# Altium PCB RTM_SFP.PcbDoc (part 7 of 17)
Units mil, origin at the board's own origin, x right, y up, seen from the top; angles counter-clockwise.
Board outline 7185 x 5846.5 mil, 4 copper layers (Top Layer, MidPlane_1, MidPlane_2, Bottom Layer), stack 63.553 mil thick; 389 components, 333 nets, 1578 pads, 1486 vias.
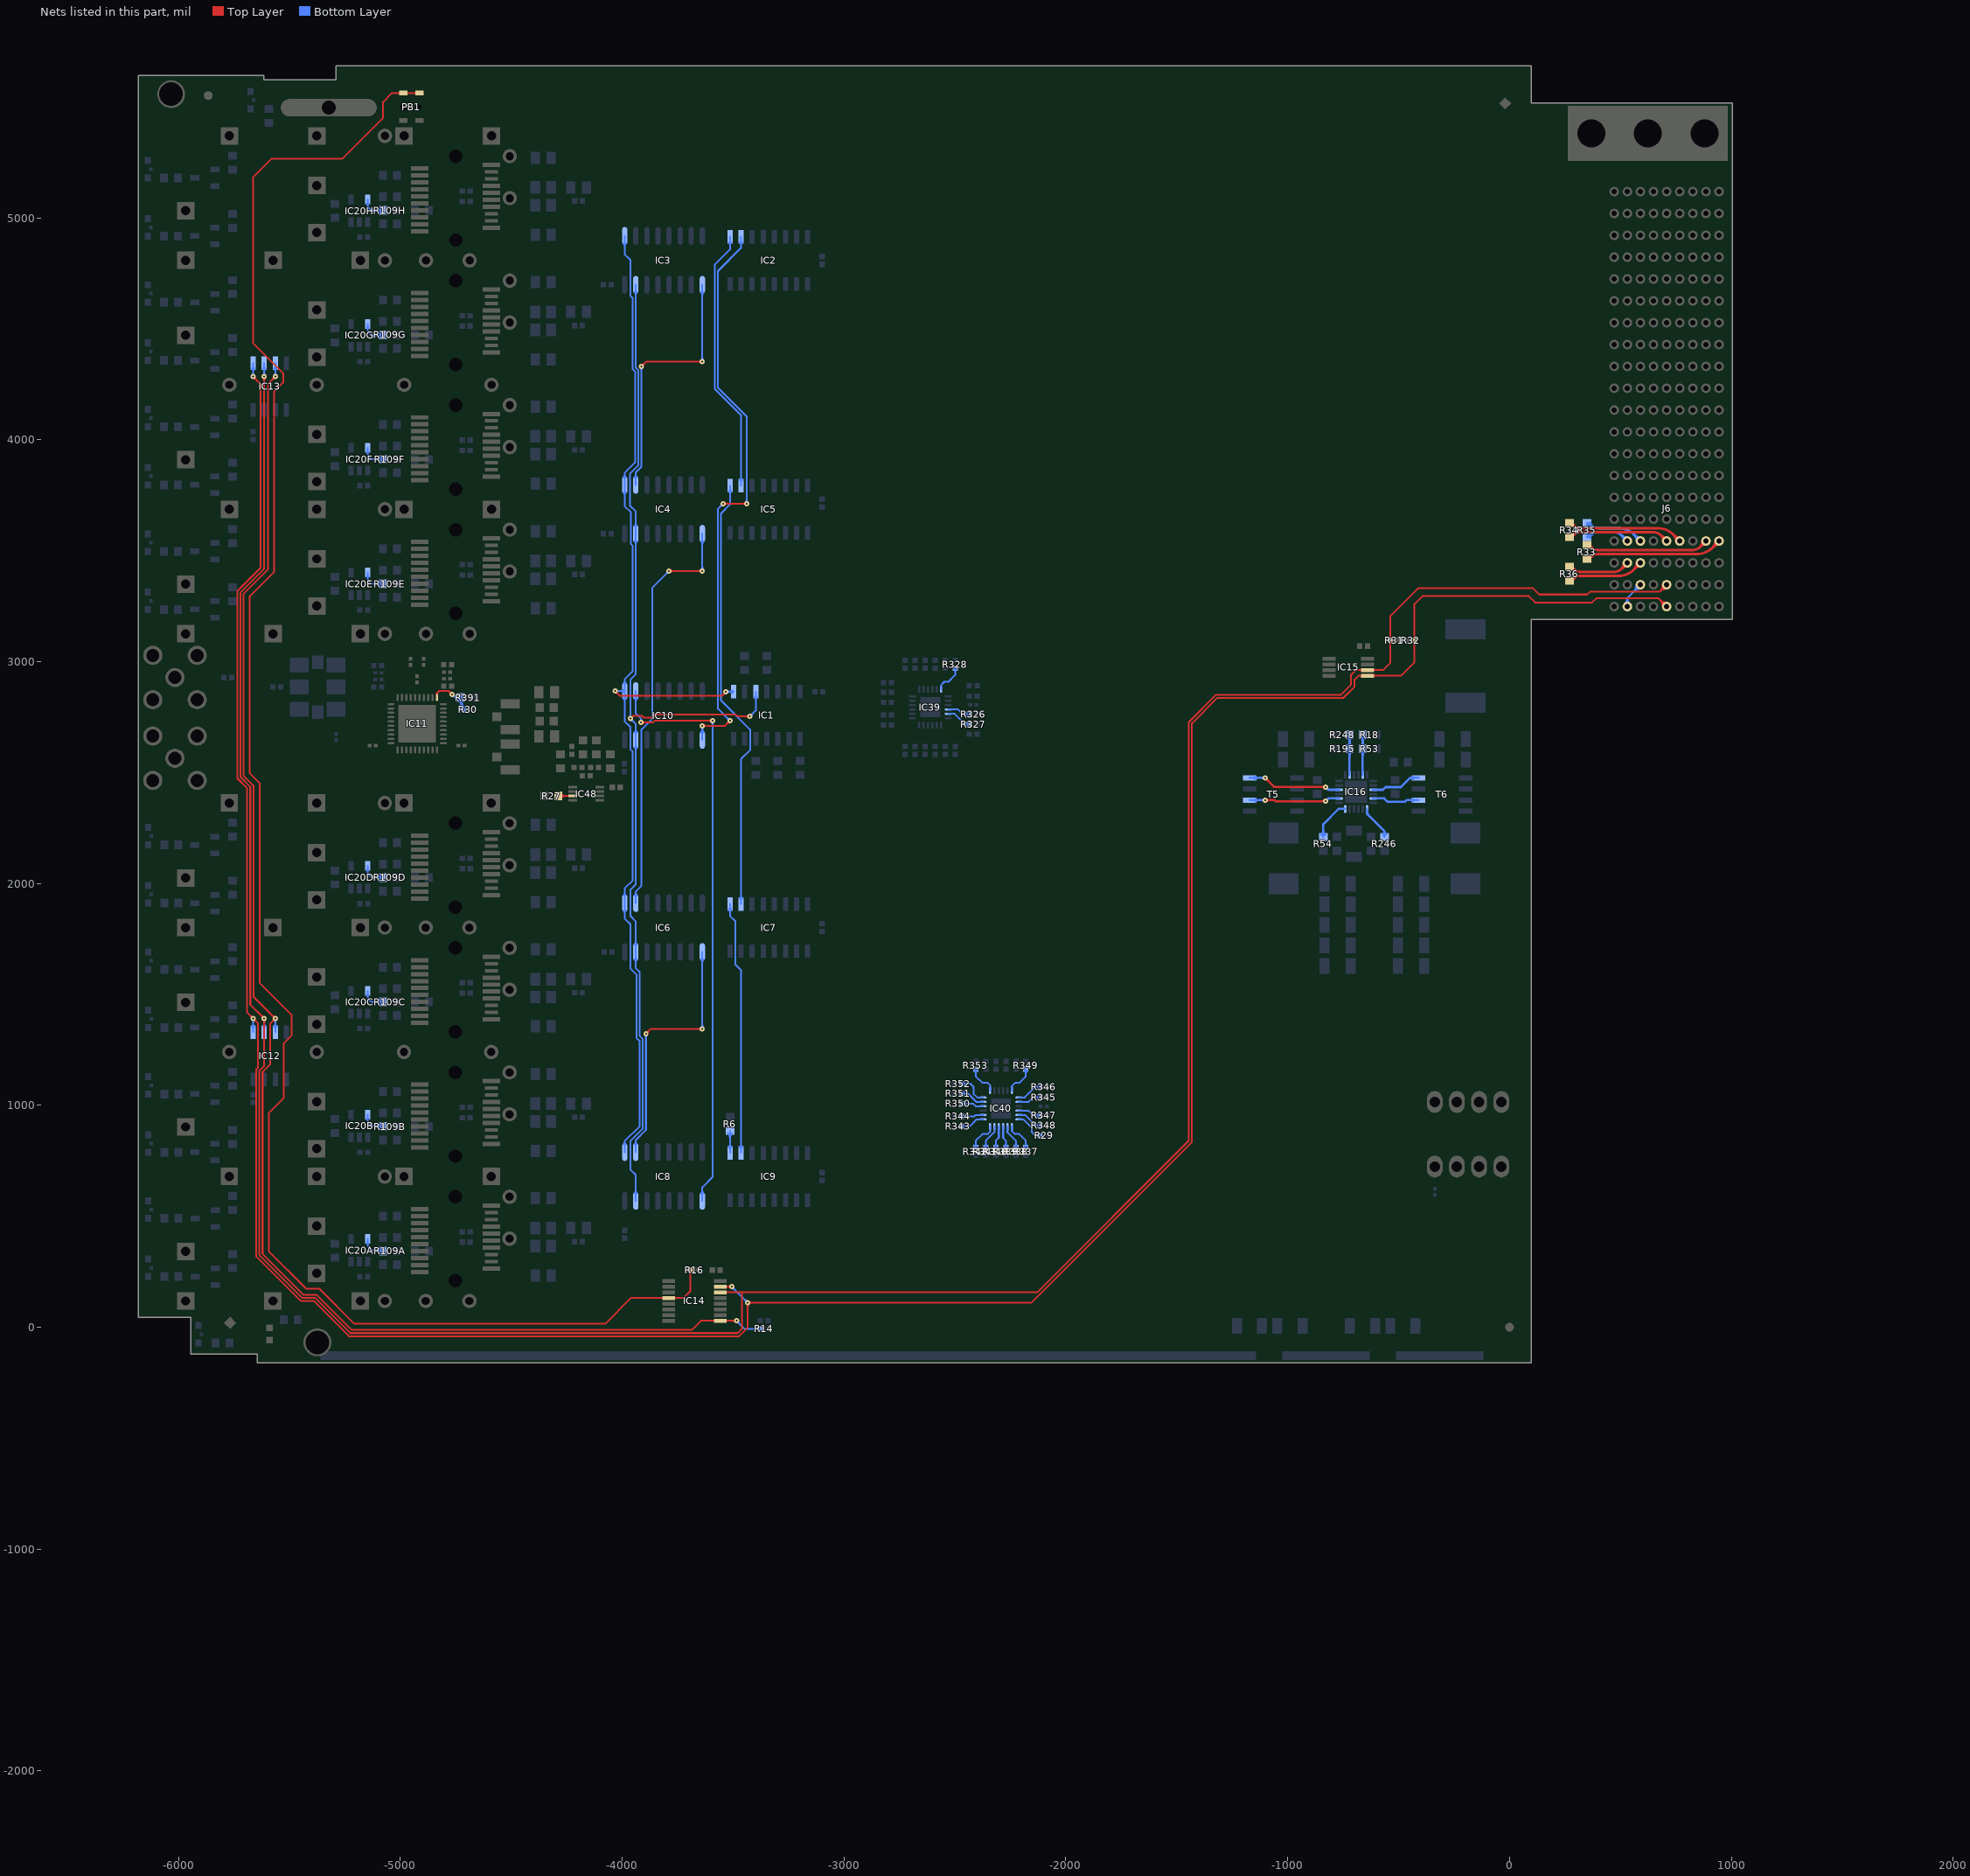
[diagram p9: the nets of this part, all layers, seen from the top]

## Via types
v1: diameter 23.62, hole 7.87, Top Layer to Bottom Layer, tented both sides, 1401 vias
v2: diameter 27.56, hole 11.81, Top Layer to Bottom Layer, tented both sides, 59 vias
v3: diameter 25.98, hole 12.99, Top Layer to Bottom Layer, tented top, 24 vias
v4: diameter 23.62, hole 11.81, Top Layer to Bottom Layer, tented both sides, 2 vias

## Nets (pads, with @x,y where several pads share a name; then routed paths per layer and width w, separated by ;. In a path a pad name is that pad's centre, name@x,y a point inside that pad or via, vN(x,y) a via of type N, cw(c..) or ccw(c..) an arc to the next point about the centre after c; other vN are vias at no path point) (continued)
NetIC1_8: IC1.8 IC3.1 IC4.1 IC6.1 IC8.1 IC10.1 | length 5476.4
  Top Layer w7.99: v1@-4032.46,2867.29 ccw(c-4019.22,2870) -4022.71,2856.94 ; v1(-4032.28,2867.32) -4011.48,2846.52 -3549.94,2846.52 v1(-3532.28,2864.17) ; v1@-4032.25,2867.5 cw(c-4034.96,2854.26) -4021.9,2857.75 ; -3542.66,2854.6 cw(c-3529.61,2851.11) v1@-3532.32,2864.35 ; -3541.85,2853.79 ccw(c-3545.35,2866.85) v1@-3532.11,2864.14 ; -4018.94,2853.98 cw(c-4005.6,2867.32) -4024.47,2867.32 ccw(c-4005.6,2867.32) -4018.94,2853.98 ; -4018.94,2853.98 ccw(c-4032.28,2840.64) -4032.28,2859.51 cw(c-4032.28,2840.64) -4018.94,2853.98 ; -3545.62,2850.83 cw(c-3532.28,2837.49) -3532.28,2856.36 ccw(c-3532.28,2837.49) -3545.62,2850.83 ; -3545.62,2850.83 ccw(c-3558.97,2864.17) -3540.1,2864.17 cw(c-3558.97,2864.17) -3545.62,2850.83
  Bottom Layer w7.99: v1(-4032.28,2867.32) IC10.1@-3988.98,2867.32 ; -4008.58,2867.32 cw(c-4008.58,2847.33) IC10.1@-3994.44,2861.47 ; -4007.63,2867.32 ccw(c-4007.63,2885.97) IC10.1@-3994.44,2872.79 ; IC8.1@-3994.44,823.04 ccw(c-4008.1,836.7) -3988.78,836.7 ccw(c-3969.46,836.7) IC8.1@-3983.12,823.04 ; IC6.1@-3994.44,1877.77 cw(c-4008.1,1864.1) -3988.78,1864.1 cw(c-3969.46,1864.1) IC6.1@-3983.12,1877.77 ; IC6.1@-3994.44,1945.09 ccw(c-4008.1,1958.75) -3988.78,1958.75 ccw(c-3969.46,1958.75) IC6.1@-3983.12,1945.09 ; IC10.1@-3994.44,2833.47 cw(c-4008.1,2819.8) -3988.78,2819.8 cw(c-3969.46,2819.8) IC10.1@-3983.12,2833.47 ; IC10.1@-3994.44,2900.79 ccw(c-4008.1,2914.45) -3988.78,2914.45 ccw(c-3969.46,2914.45) IC10.1@-3983.12,2900.79 ; IC4.1@-3994.44,3762.81 cw(c-4008.1,3749.15) -3988.78,3749.15 cw(c-3969.46,3749.15) IC4.1@-3983.12,3762.81 ; IC4.1@-3994.44,3830.13 ccw(c-4008.1,3843.8) -3988.78,3843.8 ccw(c-3969.46,3843.8) IC4.1@-3983.12,3830.13 ; IC3.1@-3994.44,4884.86 cw(c-4008.1,4871.2) -3988.78,4871.2 cw(c-3969.46,4871.2) IC3.1@-3983.12,4884.86 ; IC8.1@-3988.78,789.38 -3988.78,837.99 -3920.91,905.86 -3920.91,1289.02 -3936.02,1304.13 -3936.02,1589.57 -3963.78,1617.32 -3963.78,1817.32 -3988.78,1842.32 IC6.1@-3988.78,1911.43 -3988.78,1978.15 -3952.77,2014.16 -3952.77,2594.5 -3963.58,2605.31 -3963.58,2706.1 -3988.78,2731.3 IC10.1@-3988.78,2867.13 -3988.78,2919.69 -3953.74,2954.72 -3953.74,3522.64 -3960.78,3529.67 -3960.78,3672.19 -3988.78,3700.2 IC4.1@-3988.78,3796.47 -3988.78,3850.59 -3941.76,3897.61 -3941.76,4307.39 -3952.77,4318.4 -3952.77,4637.81 -3963.58,4648.62 -3963.58,4811.02 -3988.78,4836.22 IC3.1@-3988.78,4918.52 ; v1(-3532.28,2864.17) IC1.8@-3498.03,2864.17 ; IC1.8@-3503.56,2858.65 ccw(c-3516.9,2845.31) -3516.9,2864.17 ccw(c-3516.9,2883.04) IC1.8@-3503.56,2869.7 ; -4013.42,2867.32 cw(c-4013.42,2886.19) -4026.76,2872.85 ccw(c-4013.42,2886.19) -4013.42,2867.32 ; -4013.42,2867.32 ccw(c-4013.42,2848.46) -4026.76,2861.8 cw(c-4013.42,2848.46) -4013.42,2867.32 ; -3513.42,2864.17 cw(c-3513.42,2883.04) -3526.76,2869.7 ccw(c-3513.42,2883.04) -3513.42,2864.17 ; -3513.42,2864.17 ccw(c-3513.42,2845.31) -3526.76,2858.65 cw(c-3513.42,2845.31) -3513.42,2864.17
NetIC1_10: IC1.10 IC3.15 IC4.15 IC6.15 IC8.15 IC10.15 | length 5520.2
  Top Layer w7.99: v1@-3963.56,2742.97 cw(c-3949.38,2738.58) -3952.63,2753.06 ; v1(-3963.39,2742.91) -3950.79,2755.51 ; v1@-3963.33,2742.74 ccw(c-3967.72,2756.92) -3953.24,2753.67 ; v1(-3425.2,2752.76) -3479.13,2752.76 -3487.19,2760.81 -3852.87,2760.81 -3866.8,2746.88 -3902.39,2746.88 -3911.02,2755.51 -3950.79,2755.51 ; -3950.79,2755.51 cw(c-3962.38,2767.11) -3963.06,2750.72 ccw(c-3962.38,2767.11) -3950.79,2755.51 ; -3950.79,2755.51 ccw(c-3939.19,2743.91) -3955.58,2743.24 cw(c-3939.19,2743.91) -3950.79,2755.51 ; -3444.06,2752.76 cw(c-3444.06,2733.89) -3430.72,2747.23 ccw(c-3444.06,2733.89) -3444.06,2752.76 ; -3444.06,2752.76 ccw(c-3444.06,2771.62) -3430.72,2758.28 cw(c-3444.06,2771.62) -3444.06,2752.76
  Bottom Layer w7.99: IC8.15@-3944.44,603.04 ccw(c-3958.1,616.7) -3938.78,616.7 ccw(c-3919.46,616.7) IC8.15@-3933.12,603.04 ; IC6.15@-3944.44,1657.77 cw(c-3958.1,1644.1) -3938.78,1644.1 cw(c-3919.46,1644.1) IC6.15@-3933.12,1657.77 ; IC6.15@-3944.44,1725.09 ccw(c-3958.1,1738.75) -3938.78,1738.75 ccw(c-3919.46,1738.75) IC6.15@-3933.12,1725.09 ; IC10.15@-3944.44,2613.47 cw(c-3958.1,2599.8) -3938.78,2599.8 cw(c-3919.46,2599.8) IC10.15@-3933.12,2613.47 ; IC10.15@-3944.44,2680.79 ccw(c-3958.1,2694.45) -3938.78,2694.45 ccw(c-3919.46,2694.45) IC10.15@-3933.12,2680.79 ; IC4.15@-3944.44,3542.81 cw(c-3958.1,3529.15) -3938.78,3529.15 cw(c-3919.46,3529.15) IC4.15@-3933.12,3542.81 ; IC4.15@-3944.44,3610.13 ccw(c-3958.1,3623.8) -3938.78,3623.8 ccw(c-3919.46,3623.8) IC4.15@-3933.12,3610.13 ; IC3.15@-3944.44,4664.86 cw(c-3958.1,4651.2) -3938.78,4651.2 cw(c-3919.46,4651.2) IC3.15@-3933.12,4664.86 ; IC8.15@-3938.78,569.38 -3938.78,686.02 -3963.78,711.02 -3963.78,838.49 -3906.92,895.35 -3906.92,1297.77 -3921.26,1312.11 -3921.26,1600.39 -3938.78,1617.91 IC6.15@-3938.78,1691.43 -3938.78,1828.94 -3962.6,1852.76 -3962.6,1972.83 -3938.78,1996.65 IC10.15@-3938.78,2647.13 -3938.78,2718.31 v1(-3963.39,2742.91) -3963.39,2918.5 -3938.78,2943.11 IC4.15@-3938.78,3576.47 -3938.78,3676.18 -3964.17,3701.57 -3964.17,3847.64 -3927.77,3884.04 -3927.77,4313.19 -3938.78,4324.19 IC3.15@-3938.78,4698.52 ; v1(-3425.2,2752.76) -3398.03,2779.92 IC1.10@-3398.03,2864.17 ; IC1.10@-3403.56,2839.95 cw(c-3416.9,2826.61) -3398.03,2826.61 cw(c-3379.16,2826.61) IC1.10@-3392.51,2839.95 ; -3963.39,2761.78 cw(c-3982.25,2761.78) -3968.91,2748.44 ccw(c-3982.25,2761.78) -3963.39,2761.78 ; -3963.39,2761.78 ccw(c-3944.52,2761.78) -3957.86,2748.44 cw(c-3944.52,2761.78) -3963.39,2761.78 ; -3950.04,2729.57 cw(c-3936.7,2742.91) -3955.57,2742.91 ccw(c-3936.7,2742.91) -3950.04,2729.57 ; -3950.04,2729.57 ccw(c-3963.39,2716.23) -3963.39,2735.1 cw(c-3963.39,2716.23) -3950.04,2729.57 ; -3411.86,2766.1 cw(c-3425.2,2779.44) -3425.2,2760.57 ccw(c-3425.2,2779.44) -3411.86,2766.1 ; -3411.86,2766.1 ccw(c-3398.51,2752.76) -3417.38,2752.76 cw(c-3398.51,2752.76) -3411.86,2766.1
NetIC2_9: IC2.9 IC5.10 | length 1258.8
  Bottom Layer w7.99: IC2.9@-3519.7,4890.59 cw(c-3533.04,4877.25) -3514.17,4877.25 cw(c-3495.31,4877.25) IC2.9@-3508.65,4890.59 ; IC2.9@-3514.17,4914.82 -3514.17,4857.09 -3582.68,4788.58 -3582.68,4229.63 -3464.17,4111.13 IC5.10@-3464.17,3792.77 ; IC5.10@-3469.7,3817 ccw(c-3483.04,3830.34) -3464.17,3830.34 ccw(c-3445.31,3830.34) IC5.10@-3458.65,3817
NetIC2_10: IC2.10 IC10.9 | length 3178
  Top Layer w7.99: v1(-3638.78,2710.83) -3536.81,2710.83 v1(-3514.17,2733.46) ; v1(-3544.49,3712.2) v1(-3438.98,3712.2) ; -3524.55,2723.9 cw(c-3511.5,2720.4) v1@-3514.21,2733.64 ; -3523.74,2723.09 ccw(c-3527.24,2736.14) v1@-3514,2733.43 ; -3619.91,2710.83 cw(c-3619.91,2729.69) -3633.25,2716.35 ccw(c-3619.91,2729.69) -3619.91,2710.83 ; -3619.91,2710.83 ccw(c-3619.91,2691.96) -3633.25,2705.3 cw(c-3619.91,2691.96) -3619.91,2710.83 ; -3527.51,2720.12 cw(c-3514.17,2706.78) -3514.17,2725.65 ccw(c-3514.17,2706.78) -3527.51,2720.12 ; -3527.51,2720.12 ccw(c-3540.86,2733.46) -3521.99,2733.46 cw(c-3540.86,2733.46) -3527.51,2720.12 ; -3525.62,3712.2 cw(c-3525.62,3731.07) -3538.96,3717.73 ccw(c-3525.62,3731.07) -3525.62,3712.2 ; -3525.62,3712.2 ccw(c-3525.62,3693.34) -3538.96,3706.68 cw(c-3525.62,3693.34) -3525.62,3712.2 ; -3457.84,3712.2 cw(c-3457.84,3693.34) -3444.5,3706.68 ccw(c-3457.84,3693.34) -3457.84,3712.2 ; -3457.84,3712.2 ccw(c-3457.84,3731.07) -3444.5,3717.73 cw(c-3457.84,3731.07) -3457.84,3712.2
  Bottom Layer w7.99: IC10.9@-3644.44,2680.79 ccw(c-3658.1,2694.45) -3638.78,2694.45 ccw(c-3619.46,2694.45) IC10.9@-3633.12,2680.79 ; IC10.9@-3638.78,2647.13 v1(-3638.78,2710.83) ; v1(-3544.49,3712.2) -3568.33,3688.36 -3568.33,2787.63 v1(-3514.17,2733.46) ; IC2.10@-3469.7,4890.59 cw(c-3483.04,4877.25) -3464.17,4877.25 cw(c-3445.31,4877.25) IC2.10@-3458.65,4890.59 ; IC2.10@-3464.17,4914.82 -3464.17,4864.57 -3568.69,4760.06 -3568.69,4235.43 -3438.98,4105.72 v1(-3438.98,3712.2) ; -3638.78,2691.96 cw(c-3619.91,2691.96) -3633.25,2705.3 ccw(c-3619.91,2691.96) -3638.78,2691.96 ; -3638.78,2691.96 ccw(c-3657.65,2691.96) -3644.31,2705.3 cw(c-3657.65,2691.96) -3638.78,2691.96 ; -3557.83,3698.86 cw(c-3544.49,3685.52) -3544.49,3704.39 ccw(c-3544.49,3685.52) -3557.83,3698.86 ; -3557.83,3698.86 ccw(c-3571.17,3712.2) -3552.3,3712.2 cw(c-3571.17,3712.2) -3557.83,3698.86 ; -3527.51,2746.81 cw(c-3540.86,2733.46) -3521.99,2733.46 ccw(c-3540.86,2733.46) -3527.51,2746.81 ; -3527.51,2746.81 ccw(c-3514.17,2760.15) -3514.17,2741.28 cw(c-3514.17,2760.15) -3527.51,2746.81 ; -3438.98,3731.07 cw(c-3457.84,3731.07) -3444.5,3717.73 ccw(c-3457.84,3731.07) -3438.98,3731.07 ; -3438.98,3731.07 ccw(c-3420.11,3731.07) -3433.45,3717.73 cw(c-3420.11,3731.07) -3438.98,3731.07
NetIC3_9: IC3.9 IC4.2 | length 1502.5
  Top Layer w7.99: v1@-3913.95,4330.07 cw(c-3900.71,4327.36) -3904.21,4340.41 ; v1@-3913.74,4329.86 ccw(c-3916.46,4343.1) -3903.4,4339.6 ; v1(-3913.78,4330.03) -3892.24,4351.57 v1(-3638.78,4351.57) ; -3900.44,4343.38 cw(c-3913.78,4356.72) -3913.78,4337.85 ccw(c-3913.78,4356.72) -3900.44,4343.38 ; -3900.44,4343.38 ccw(c-3887.1,4330.03) -3905.96,4330.03 cw(c-3887.1,4330.03) -3900.44,4343.38 ; -3657.65,4351.57 cw(c-3657.65,4332.71) -3644.31,4346.05 ccw(c-3657.65,4332.71) -3657.65,4351.57 ; -3657.65,4351.57 ccw(c-3657.65,4370.44) -3644.31,4357.1 cw(c-3657.65,4370.44) -3657.65,4351.57
  Bottom Layer w7.99: IC4.2@-3944.44,3830.13 ccw(c-3958.1,3843.8) -3938.78,3843.8 ccw(c-3919.46,3843.8) IC4.2@-3933.12,3830.13 ; IC4.2@-3938.78,3796.47 -3938.78,3853.24 -3913.78,3878.24 v1(-3913.78,4330.03) ; IC3.9@-3644.44,4664.86 cw(c-3658.1,4651.2) -3638.78,4651.2 cw(c-3619.46,4651.2) IC3.9@-3633.12,4664.86 ; v1(-3638.78,4351.57) IC3.9@-3638.78,4698.52 ; -3913.78,4311.17 cw(c-3894.91,4311.17) -3908.25,4324.51 ccw(c-3894.91,4311.17) -3913.78,4311.17 ; -3913.78,4311.17 ccw(c-3932.65,4311.17) -3919.31,4324.51 cw(c-3932.65,4311.17) -3913.78,4311.17 ; -3638.78,4370.44 cw(c-3657.65,4370.44) -3644.31,4357.1 ccw(c-3657.65,4370.44) -3638.78,4370.44 ; -3638.78,4370.44 ccw(c-3619.91,4370.44) -3633.25,4357.1 cw(c-3619.91,4370.44) -3638.78,4370.44
NetIC4_9: IC4.9 IC6.2 | length 2175
  Top Layer w7.99: v1(-3788.78,3408.66) v1(-3638.78,3408.66) ; -3769.91,3408.66 cw(c-3769.91,3427.53) -3783.25,3414.19 ccw(c-3769.91,3427.53) -3769.91,3408.66 ; -3769.91,3408.66 ccw(c-3769.91,3389.79) -3783.25,3403.14 cw(c-3769.91,3389.79) -3769.91,3408.66 ; -3657.65,3408.66 cw(c-3657.65,3389.79) -3644.31,3403.14 ccw(c-3657.65,3389.79) -3657.65,3408.66 ; -3657.65,3408.66 ccw(c-3657.65,3427.53) -3644.31,3414.19 cw(c-3657.65,3427.53) -3657.65,3408.66
  Bottom Layer w7.99: IC6.2@-3944.44,1945.09 ccw(c-3958.1,1958.75) -3938.78,1958.75 ccw(c-3919.46,1958.75) IC6.2@-3933.12,1945.09 ; IC6.2@-3938.78,1911.43 -3938.78,1963.58 -3912.99,1989.37 -3912.99,2693.7 -3864.17,2742.52 -3864.17,3333.27 v1(-3788.78,3408.66) ; IC4.9@-3644.44,3542.81 cw(c-3658.1,3529.15) -3638.78,3529.15 cw(c-3619.46,3529.15) IC4.9@-3633.12,3542.81 ; v1(-3638.78,3408.66) IC4.9@-3638.78,3576.47 ; -3802.12,3395.32 cw(c-3788.78,3381.98) -3788.78,3400.85 ccw(c-3788.78,3381.98) -3802.12,3395.32 ; -3802.12,3395.32 ccw(c-3815.46,3408.66) -3796.59,3408.66 cw(c-3815.46,3408.66) -3802.12,3395.32 ; -3638.78,3427.53 cw(c-3657.65,3427.53) -3644.31,3414.19 ccw(c-3657.65,3427.53) -3638.78,3427.53 ; -3638.78,3427.53 ccw(c-3619.91,3427.53) -3633.25,3414.19 cw(c-3619.91,3427.53) -3638.78,3427.53
NetIC5_9: IC5.9 IC7.10 | length 2031.9
  Bottom Layer w7.99: IC5.9@-3519.7,3768.55 cw(c-3533.04,3755.2) -3514.17,3755.2 cw(c-3495.31,3755.2) IC5.9@-3508.65,3768.55 ; IC5.9@-3514.17,3792.77 -3514.17,3708.27 -3554.34,3668.1 -3554.34,2824.42 -3423.62,2693.7 -3423.62,2601.57 -3464.17,2561.02 IC7.10@-3464.17,1907.72 ; IC7.10@-3469.7,1931.95 ccw(c-3483.04,1945.29) -3464.17,1945.29 ccw(c-3445.31,1945.29) IC7.10@-3458.65,1931.95
NetIC6_9: IC6.9 IC8.2 | length 1490.3
  Top Layer w7.99: v1@-3893.1,1322.98 cw(c-3879.86,1320.26) -3883.36,1333.32 ; v1@-3892.89,1322.77 ccw(c-3895.6,1336.01) -3882.55,1332.51 ; v1(-3892.93,1322.94) -3871.39,1344.48 v1(-3638.78,1344.48) ; -3879.59,1336.28 cw(c-3892.93,1349.62) -3892.93,1330.75 ccw(c-3892.93,1349.62) -3879.59,1336.28 ; -3879.59,1336.28 ccw(c-3866.25,1322.94) -3885.11,1322.94 cw(c-3866.25,1322.94) -3879.59,1336.28 ; -3657.65,1344.48 cw(c-3657.65,1325.61) -3644.31,1338.95 ccw(c-3657.65,1325.61) -3657.65,1344.48 ; -3657.65,1344.48 ccw(c-3657.65,1363.35) -3644.31,1350.01 cw(c-3657.65,1363.35) -3657.65,1344.48
  Bottom Layer w7.99: IC8.2@-3944.44,823.04 ccw(c-3958.1,836.7) -3938.78,836.7 ccw(c-3919.46,836.7) IC8.2@-3933.12,823.04 ; IC8.2@-3938.78,789.38 -3938.78,843.7 -3892.93,889.55 v1(-3892.93,1322.94) ; IC6.9@-3644.44,1657.77 cw(c-3658.1,1644.1) -3638.78,1644.1 cw(c-3619.46,1644.1) IC6.9@-3633.12,1657.77 ; v1(-3638.78,1344.48) IC6.9@-3638.78,1691.43 ; -3892.93,1304.07 cw(c-3874.06,1304.07) -3887.4,1317.41 ccw(c-3874.06,1304.07) -3892.93,1304.07 ; -3892.93,1304.07 ccw(c-3911.8,1304.07) -3898.46,1317.41 cw(c-3911.8,1304.07) -3892.93,1304.07 ; -3638.78,1363.35 cw(c-3657.65,1363.35) -3644.31,1350.01 ccw(c-3657.65,1363.35) -3638.78,1363.35 ; -3638.78,1363.35 ccw(c-3619.91,1363.35) -3633.25,1350.01 cw(c-3619.91,1363.35) -3638.78,1363.35
NetIC7_9: IC7.9 IC9.10 | length 1202
  Bottom Layer w7.99: IC7.9@-3519.7,1883.5 cw(c-3533.04,1870.16) -3514.17,1870.16 cw(c-3495.31,1870.16) IC7.9@-3508.65,1883.5 ; IC7.9@-3514.17,1907.72 -3514.17,1854.33 -3488.98,1829.13 -3488.98,1633.86 -3464.17,1609.06 IC9.10@-3464.17,785.68 ; IC9.10@-3469.7,809.9 ccw(c-3483.04,823.24) -3464.17,823.24 ccw(c-3445.31,823.24) IC9.10@-3458.65,809.9
NetIC8_9: IC8.9 IC10.2 | length 2948.2
  Top Layer w7.99: v1(-3914.96,2725.59) -3860.63,2725.59 -3852.76,2733.46 v1(-3592.91,2733.46) ; -3896.09,2725.59 cw(c-3896.09,2744.46) -3909.43,2731.12 ccw(c-3896.09,2744.46) -3896.09,2725.59 ; -3896.09,2725.59 ccw(c-3896.09,2706.72) -3909.43,2720.06 cw(c-3896.09,2706.72) -3896.09,2725.59 ; -3611.78,2733.46 cw(c-3611.78,2714.6) -3598.44,2727.94 ccw(c-3611.78,2714.6) -3611.78,2733.46 ; -3611.78,2733.46 ccw(c-3611.78,2752.33) -3598.44,2738.99 cw(c-3611.78,2752.33) -3611.78,2733.46
  Bottom Layer w7.99: IC10.2@-3944.44,2833.47 cw(c-3958.1,2819.8) -3938.78,2819.8 cw(c-3919.46,2819.8) IC10.2@-3933.12,2833.47 ; IC10.2@-3938.78,2867.13 -3938.78,2766.34 -3914.96,2742.52 ; v1(-3914.96,2725.59) -3914.96,2742.52 ; IC8.9@-3644.44,603.04 ccw(c-3658.1,616.7) -3638.78,616.7 ccw(c-3619.46,616.7) IC8.9@-3633.12,603.04 ; IC8.9@-3638.78,569.38 -3638.78,630.12 -3592.91,675.98 v1(-3592.91,2733.46) ; -3914.96,2742.52 cw(c-3929.39,2742.52) -3920.03,2731.54 ccw(c-3929.39,2742.52) -3914.96,2742.52 ; -3914.96,2742.52 ccw(c-3900.53,2742.52) -3909.89,2731.54 cw(c-3900.53,2742.52) -3914.96,2742.52 ; -3592.91,2714.6 cw(c-3574.05,2714.6) -3587.39,2727.94 ccw(c-3574.05,2714.6) -3592.91,2714.6 ; -3592.91,2714.6 ccw(c-3611.78,2714.6) -3598.44,2727.94 cw(c-3611.78,2714.6) -3592.91,2714.6
NetIC9_9: IC9.9 R6.1 | length 180.2
  Bottom Layer w7.99: R6.1@-3523.88,874.55 cw(c-3547.3,851.13) -3514.17,851.13 cw(c-3481.05,851.13) R6.1@-3504.47,874.55 ; IC9.9@-3519.7,809.9 ccw(c-3533.04,823.24) -3514.17,823.24 ccw(c-3495.31,823.24) IC9.9@-3508.65,809.9 ; IC9.9@-3514.17,785.68 R6.1@-3514.17,884.25
NetIC11_1: IC11.1 R30.2 R391.1 | length 599.1
  Top Layer w7.99: IC11.1@-4835.83,2838.19 -4835.83,2857.87 -4826.38,2867.32 -4782.09,2867.32 v1(-4766.54,2851.77) ; IC11.1@-4834.9,2849.02 cw(c-4811.28,2849.02) -4827.98,2865.72 ; -4776.91,2861.34 ccw(c-4763.86,2864.84) v1@-4766.57,2851.6 ; -4776.1,2862.15 cw(c-4779.6,2849.1) v1@-4766.36,2851.81 ; -4779.88,2865.11 cw(c-4793.22,2851.77) -4774.35,2851.77 ccw(c-4793.22,2851.77) -4779.88,2865.11 ; -4779.88,2865.11 ccw(c-4766.54,2878.45) -4766.54,2859.59 cw(c-4766.54,2878.45) -4779.88,2865.11
  Bottom Layer w7.99: v1(-4766.54,2851.77) -4752.95,2838.19 ; R391.1@-4738.05,2830.38 ccw(c-4752.95,2820.07) -4752.95,2838.19 ; R391.1@-4738.05,2846 cw(c-4752.95,2856.31) -4752.95,2838.19 ; R391.1@-4736.47,2826.52 cw(c-4759.9,2803.1) -4726.77,2803.1 cw(c-4693.65,2803.1) R391.1@-4717.07,2826.52 ; -4726.77,2796.62 ccw(c-4699.45,2796.62) R30.2@-4718.77,2777.29 ; -4726.77,2815.91 ccw(c-4680.15,2815.91) R30.2@-4713.12,2782.95 ; R391.1@-4726.77,2835.2 ccw(c-4660.86,2835.2) R30.2@-4707.47,2788.6 ; R30.2@-4720.81,2783.07 ccw(c-4739.67,2783.07) -4726.33,2796.41 ccw(c-4712.99,2809.75) R30.2@-4712.99,2790.89 ; R30.2@-4712.99,2783.07 -4726.77,2796.85 R391.1@-4726.77,2838.19 -4752.95,2838.19 ; -4753.19,2838.43 cw(c-4739.85,2851.77) -4758.72,2851.77 ccw(c-4739.85,2851.77) -4753.19,2838.43 ; -4753.19,2838.43 ccw(c-4766.54,2825.09) -4766.54,2843.96 cw(c-4766.54,2825.09) -4753.19,2838.43
NetIC12_1: IC12.1 IC13.1 IC14.15 IC15.5 J6.D1 R32.2 | length 14799.6
  Top Layer w7.99: -5674.17,1401.03 ccw(c-5661.12,1404.53) v1@-5663.83,1391.29 ; -5673.36,1401.84 cw(c-5676.86,1388.79) v1@-5663.62,1391.5 ; v1@-5663.97,1391.43 ccw(c-5650.73,1394.14) -5654.23,1381.09 ; v1@-5663.97,4284.59 ccw(c-5650.73,4287.31) -5654.23,4274.25 ; v1(-5663.8,4284.63) -5630.71,4251.54 -5630.71,3421.61 -5734.65,3317.67 -5734.65,2473.67 -5690.58,2429.61 -5690.58,1418.25 v1(-5663.8,1391.46) -5641.99,1369.66 -5641.99,1169.83 -5649.46,1162.36 -5649.46,318.71 -5448.21,117.47 -5389.16,117.47 -5231.22,-40.46 -3473.54,-40.46 -3433.86,-0.79 v1(-3433.86,110.24) -2156.61,110.24 -1431.92,834.93 -1431.92,2721.26 -1316.53,2836.64 -748.4,2836.64 -698.82,2886.22 -698.82,2918.5 -680.91,2936.42 IC15.5@-639.37,2936.42 -488.78,2936.42 -428.74,2996.46 R32.2@-428.74,3096.06 -428.74,3259.45 -392.91,3295.28 87.01,3295.28 115.93,3266.35 194.06,3266.35 194.27,3266.14 372.63,3266.14 391.31,3284.81 671.88,3284.81 J6.D1@708.66,3248.03 ; v1@-5663.76,1391.64 cw(c-5666.47,1378.4) -5653.42,1381.9 ; v1@-5663.76,4284.8 cw(c-5666.47,4271.56) -5653.42,4275.06 ; IC14.15@-3558.27,182.48 v1(-3506.1,182.48) ; IC14.15@-3535.14,179.04 cw(c-3526.84,170.74) -3526.84,182.48 cw(c-3526.84,194.22) IC14.15@-3535.14,185.92 ; IC15.5@-663.48,2932.98 ccw(c-671.78,2924.68) -671.78,2936.42 ccw(c-671.78,2948.16) IC15.5@-663.48,2939.86 ; IC15.5@-615.26,2932.98 cw(c-606.96,2924.68) -606.96,2936.42 cw(c-606.96,2948.16) IC15.5@-615.26,2939.86 ; R32.2@-434.27,3090.54 cw(c-447.61,3077.2) -428.74,3077.2 cw(c-409.87,3077.2) R32.2@-423.21,3090.54 ; R32.2@-434.27,3101.59 ccw(c-447.61,3114.93) -428.74,3114.93 ccw(c-409.87,3114.93) R32.2@-423.21,3101.59 ; 683.8,3272.35 cw(c675.46,3241.23) J6.D1@707.02,3247.7 ; 684.34,3272.89 ccw(c715.46,3281.23) J6.D1@709,3249.67 ; 687.69,3260.4 ccw(c712.56,3267.06) J6.D1@707.39,3241.84 ; 696.29,3269 cw(c689.63,3244.13) J6.D1@714.85,3249.3 ; -5677.14,1404.81 cw(c-5690.48,1391.46) -5671.61,1391.46 ccw(c-5690.48,1391.46) -5677.14,1404.81 ; -5677.14,1404.81 ccw(c-5663.8,1418.15) -5663.8,1399.28 cw(c-5663.8,1418.15) -5677.14,1404.81 ; -5650.45,1378.12 cw(c-5637.11,1391.46) -5655.98,1391.46 ccw(c-5637.11,1391.46) -5650.45,1378.12 ; -5650.45,1378.12 ccw(c-5663.8,1364.78) -5663.8,1383.65 cw(c-5663.8,1364.78) -5650.45,1378.12 ; -5650.45,4271.29 cw(c-5637.11,4284.63) -5655.98,4284.63 ccw(c-5637.11,4284.63) -5650.45,4271.29 ; -5650.45,4271.29 ccw(c-5663.8,4257.95) -5663.8,4276.82 cw(c-5663.8,4257.95) -5650.45,4271.29 ; -3524.97,182.48 cw(c-3524.97,163.61) -3511.63,176.95 ccw(c-3524.97,163.61) -3524.97,182.48 ; -3524.97,182.48 ccw(c-3524.97,201.35) -3511.63,188.01 cw(c-3524.97,201.35) -3524.97,182.48 ; -3433.86,91.37 cw(c-3414.99,91.37) v1@-3428.33,104.71 ; -3433.86,91.37 ccw(c-3452.73,91.37) -3439.38,104.71 cw(c-3452.73,91.37) -3433.86,91.37 ; -3433.86,91.37 cw(c-3414.99,91.37) v1@-3428.33,104.71 ; v1@-3428.33,104.71 cw(c-3414.99,91.37) -3414.99,110.24 ; v1@-3428.33,104.71 cw(c-3414.99,91.37) -3414.99,110.24 ; -3414.99,110.24 cw(c-3414.99,129.1) -3428.33,115.76 ccw(c-3414.99,129.1) -3414.99,110.24 ; 678.52,3278.17 cw(c648.37,3248.03) 691,3248.03 ccw(c648.37,3248.03) 678.52,3278.17 ; 678.52,3278.17 ccw(c708.66,3308.32) 708.66,3265.69 cw(c708.66,3308.32) 678.52,3278.17 ; 692.16,3264.53 cw(c675.66,3248.03) 699,3248.03 ccw(c675.66,3248.03) 692.16,3264.53 ; 692.16,3264.53 ccw(c708.66,3281.03) 708.66,3257.7 cw(c708.66,3281.03) 692.16,3264.53